# KiCad board SparkFun_IM19_IMU_Breakout_panelized.kicad_pcb (continued)
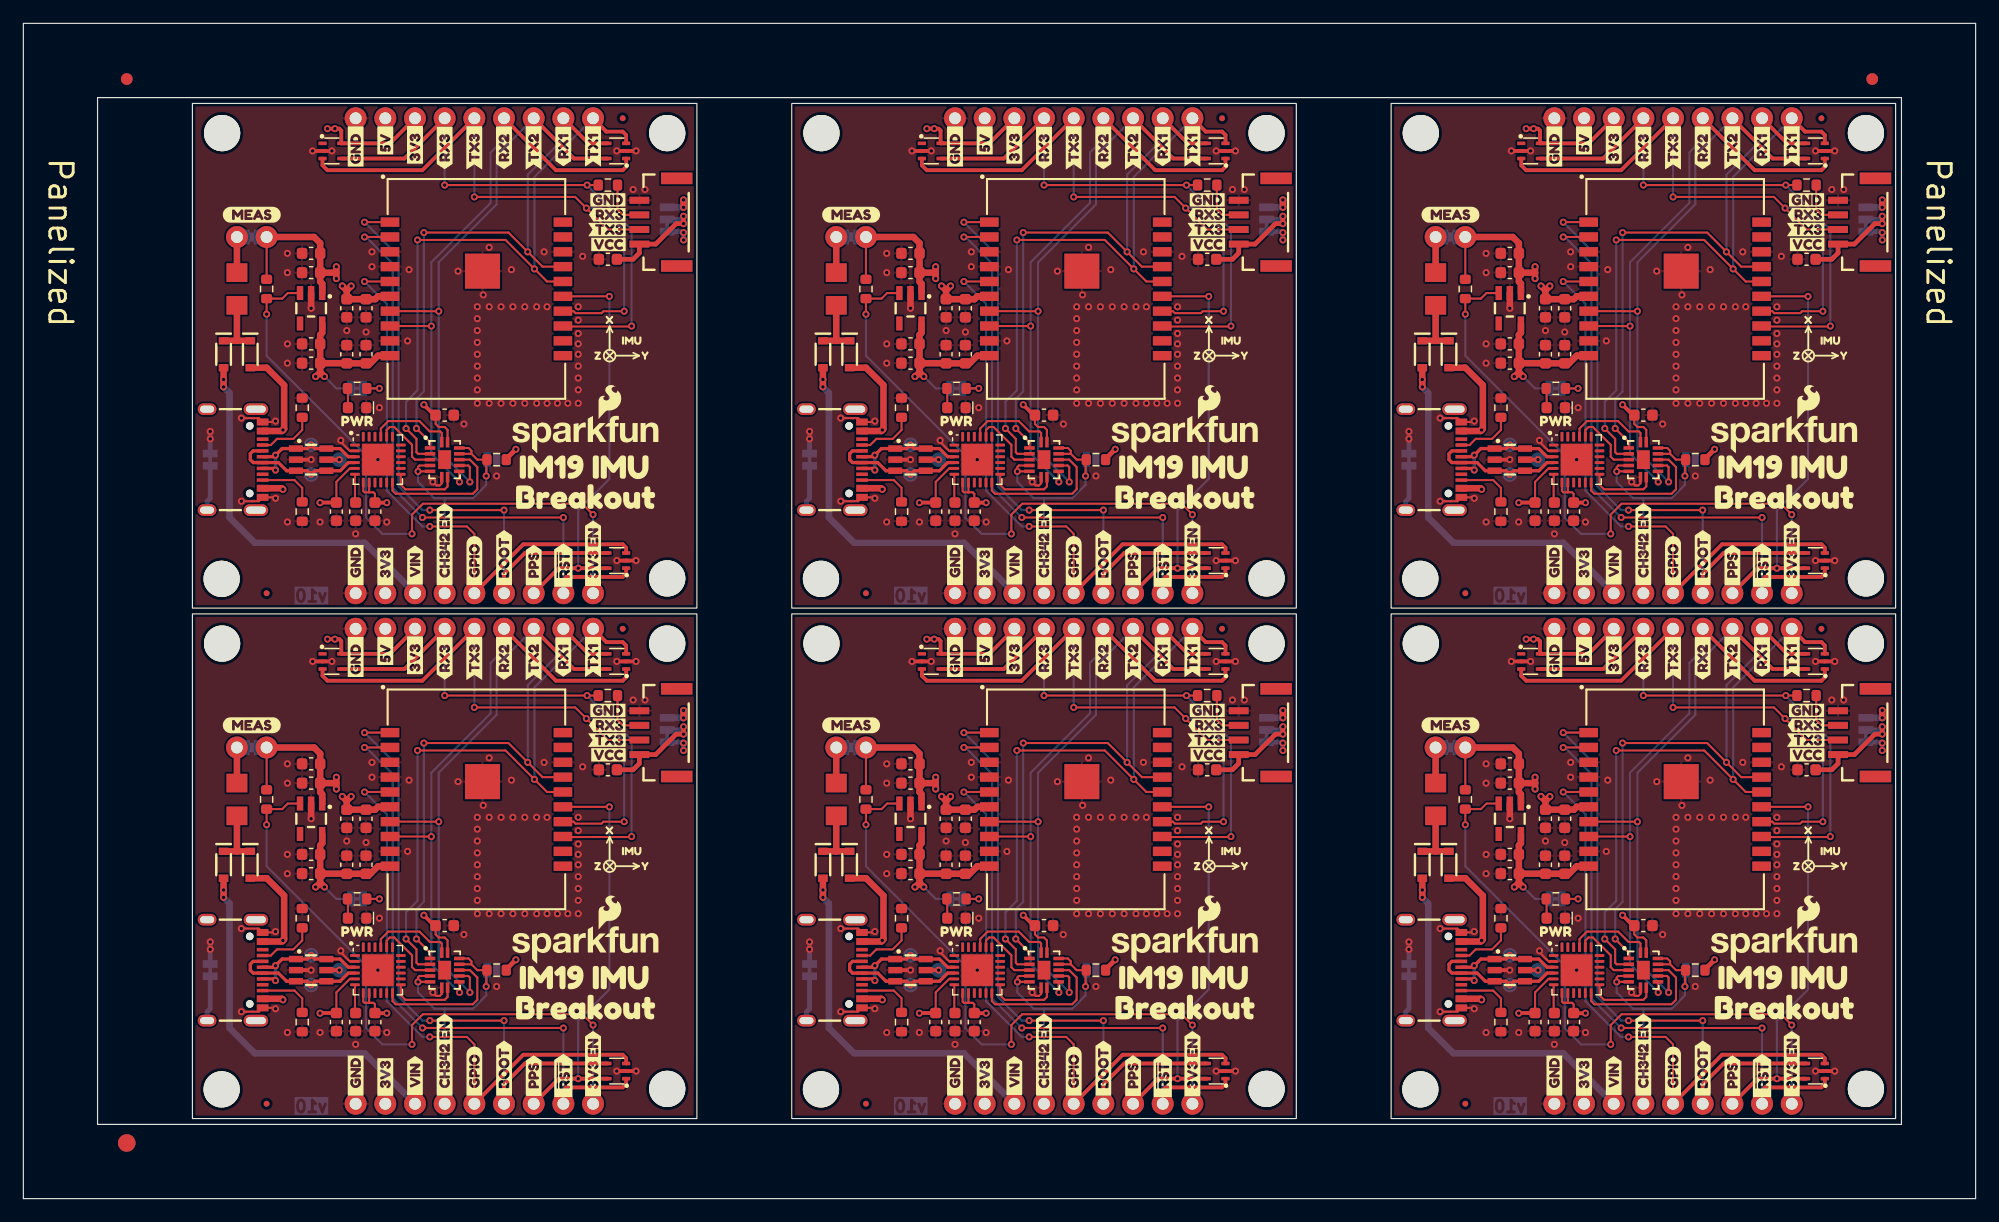
[diagram p0: board, top side]
## Routing (per net, layer and track width the routed paths; a pad name or vN(x,y) marks a point on that pad's centre or on a via; arc(x,y) is an arc through that point) (continued)
TXD2: length 298.4
  Top w0.178: v1(35.55,75.93) 34.41,75.93 34.4,75.94 U2#3.7 ; v1(86.85,32.25) 85.71,32.25 85.7,32.25 U2#4.7 ; v1(140.82,17.64) 140.82,18.92 140.68,19.05 U4.10 ; v1(138.15,75.93) 137.01,75.93 137,75.94 U2#2.7 ; v1(89.52,61.33) 89.52,62.59 89.38,62.73 U4#5.10 ; v1(138.15,32.25) 137.01,32.25 137,32.25 U2#6.7 ; v1(89.52,17.64) 89.52,18.92 89.38,19.05 U4#4.10 ; U2.7 34.4,32.25 34.41,32.25 v1(35.55,32.25) ; v1(140.82,61.33) 140.82,62.59 140.68,62.73 U4#6.10 ; v1(38.22,17.64) 38.22,18.92 38.08,19.05 U4#2.10 ; U2#5.7 85.7,75.94 85.71,75.93 v1(86.85,75.93) ; U4#3.10 38.08,62.73 38.22,62.59 v1(38.22,61.33)
  Top w0.33: J2#6.3 149.72,89 D4#6.5 ; J2#2.3 98.42,45.32 D4#2.5 ; D4#3.5 47.12,89 J2#3.3 ; J2#5.3 149.72,45.32 D4#4.5 ; J2#4.3 98.42,89 D4#5.5 ; J2.3 47.12,45.32 D4.5
  Bottom w0.178: J2.3 40.5,45.59 40.5,41.39 35.55,36.44 v1(35.55,32.25) 35.55,20.31 v1(38.22,17.64) ; v1(38.22,61.33) 35.55,63.99 v1(35.55,75.93) 35.55,80.12 40.5,85.07 40.5,89.27 J2#3.3 ; J2#2.3 91.81,45.59 91.81,41.39 86.85,36.44 v1(86.85,32.25) 86.85,20.31 v1(89.52,17.64) ; J2#5.3 143.11,45.59 143.11,41.39 138.15,36.44 v1(138.15,32.25) 138.15,20.31 v1(140.82,17.64) ; J2#6.3 143.11,89.27 143.11,85.07 138.15,80.12 v1(138.15,75.93) 138.15,63.99 v1(140.82,61.33) ; v1(89.52,61.33) 86.85,63.99 v1(86.85,75.93) 86.85,80.12 91.81,85.07 91.81,89.27 J2#4.3
TXD3: length 323.4
  Top w0.178: J1#4.2 101.32,39.25 98.54,42.03 v1(89.9,42.03) ; U2#2.14 149.69,75.94 149.86,75.76 152.08,75.76 152.25,75.93 v1(154.03,75.93) ; J1#6.2 152.62,82.93 149.84,85.71 v1(141.2,85.71) ; v1(102.73,75.93) 100.95,75.93 100.78,75.76 98.56,75.76 98.39,75.94 U2#5.14 ; J1#3.2 50.02,82.93 47.24,85.71 v1(38.6,85.71) ; J1#2.2 152.62,39.25 149.84,42.03 v1(141.2,42.03) ; v1(51.43,75.93) 49.65,75.93 49.48,75.76 47.26,75.76 47.09,75.94 U2#3.14 ; v1(102.73,32.25) 100.95,32.25 100.78,32.08 98.56,32.08 98.39,32.25 U2#4.14 ; v1(154.03,32.25) 152.25,32.25 152.08,32.08 149.86,32.08 149.69,32.25 U2#6.14 ; J1.2 50.02,39.25 47.24,42.03 v1(38.6,42.03) ; v1(51.43,32.25) 49.65,32.25 49.48,32.08 47.26,32.08 47.09,32.25 U2.14 ; J1#5.2 101.32,82.93 98.54,85.71 v1(89.9,85.71)
  Top w0.33: D5#5.3 128.21,44.73 128.63,44.31 136.75,44.31 J2#5.5 ; D5#6.3 76.91,88.41 77.33,88 85.46,88 J2#4.5 ; J2#6.5 136.75,88 128.63,88 128.21,88.41 D5#4.3 ; D5.3 25.61,44.73 26.03,44.31 34.16,44.31 J2.5 ; D5#2.3 76.91,44.73 77.33,44.31 85.46,44.31 J2#2.5 ; D5#3.3 25.61,88.41 26.03,88 34.16,88 J2#3.5
  Bottom w0.178: v1(150.79,84.76) 152.06,84.76 154.03,82.79 v1(154.03,75.93) ; v1(102.73,32.25) 102.73,39.11 100.76,41.08 v1(99.49,41.08) ; v1(154.03,32.25) 154.03,39.11 152.06,41.08 v1(150.79,41.08) ; v1(141.2,42.03) J2#5.5 ; v1(51.43,75.93) 51.43,82.79 49.46,84.76 v1(48.19,84.76) ; v1(51.43,32.25) 51.43,39.11 49.46,41.08 v1(48.19,41.08) ; v1(141.2,85.71) J2#6.5 ; v1(89.9,42.03) J2#2.5 ; v1(38.6,85.71) J2#3.5 ; v1(89.9,85.71) J2#4.5 ; v1(102.73,75.93) 102.73,82.79 100.76,84.76 v1(99.49,84.76) ; v1(38.6,42.03) J2.5
VUSB: length 200.3
  Top w0.178: 132.18,16.76 131.8,16.76 131.69,16.86 U1#6.7 ; 132.18,16.76 132.56,16.76 132.69,16.63 C5#3.1 ; 132.18,16.76 132.19,16.77 U1#6.8 ; C5#4.1 81.39,16.63 81.26,16.76 80.88,16.76 ; 80.88,60.44 80.5,60.44 80.4,60.54 U1#3.7 ; 80.88,60.44 81.26,60.44 81.39,60.31 C5#6.1 ; 80.88,60.44 80.9,60.45 U1#3.8 ; U1#4.7 80.4,16.86 80.5,16.76 80.88,16.76 ; 80.88,16.76 80.9,16.77 U1#4.8 ; C5#5.1 30.09,60.31 29.96,60.44 29.58,60.44 ; 132.18,60.44 132.56,60.44 132.69,60.31 C5#2.1 ; 132.18,60.44 132.19,60.45 U1#5.8 ; 132.18,60.44 131.8,60.44 131.69,60.54 U1#5.7 ; 29.58,16.76 29.59,16.77 U1.8 ; 29.58,16.76 29.2,16.76 29.09,16.86 U1.7 ; 29.58,16.76 29.96,16.76 30.09,16.63 C5.1 ; 29.58,60.44 29.2,60.44 29.09,60.54 U1#2.7 ; 29.58,60.44 29.59,60.45 U1#2.8
  Top w0.33: C5.1 30.1,15.87 v1(31.11,15.87) ; v1(133.71,15.87) 132.7,15.87 C5#3.1 ; D6#2.5 v1(27.04,63.23) ; v1(82.41,15.87) 81.4,15.87 C5#4.1 ; v1(82.41,59.55) 81.4,59.55 C5#6.1 ; C5#2.1 132.7,59.55 v1(133.71,59.55) ; D6.5 v1(27.04,19.55) ; D6#4.5 v1(129.64,19.55) ; v1(31.11,59.55) 30.1,59.55 C5#5.1 ; D6#3.5 v1(78.34,19.55) ; D6#6.5 v1(78.34,63.23) ; D6#5.5 v1(129.64,63.23)
  Top w0.559: J3#5.VBUS 124.73,60.78 v1(124.82,60.69) ; J3#5.VBUS 124.73,65.68 v1(124.82,65.77) 124.92,65.87 124.92,69.6 123.43,71.1 D1#6.2 ; v1(73.52,17.01) 73.43,17.1 J3#2.VBUS ; J3#2.VBUS 73.43,22 v1(73.52,22.09) 73.62,22.19 73.62,25.92 72.13,27.42 D1#5.2 ; J3#4.VBUS 73.43,65.68 v1(73.52,65.77) 73.62,65.87 73.62,69.6 72.13,71.1 D1#3.2 ; v1(22.22,17.01) 22.13,17.1 J3.VBUS ; J3#3.VBUS 124.73,22 v1(124.82,22.09) 124.92,22.19 124.92,25.92 123.43,27.42 D1#2.2 ; J3.VBUS 22.13,22 v1(22.22,22.09) 22.32,22.19 22.32,25.92 20.83,27.42 D1.2 ; J3#4.VBUS 73.43,60.78 v1(73.52,60.69) ; J3#6.VBUS 22.13,60.78 v1(22.22,60.69) ; v1(124.82,17.01) 124.73,17.1 J3#3.VBUS ; J3#6.VBUS 22.13,65.68 v1(22.22,65.77) 22.32,65.87 22.32,69.6 20.83,71.1 D1#4.2
  In2.Cu w0.33: v1(31.11,59.55) 29.86,60.79 27.04,60.79 ; v1(133.71,59.55) 132.46,60.79 129.64,60.79 ; v1(129.64,19.55) 129.64,17.11 ; 129.64,17.11 124.92,17.11 ; 129.64,17.11 132.46,17.11 v1(133.71,15.87) ; 78.34,60.79 81.16,60.79 v1(82.41,59.55) ; 78.34,60.79 73.62,60.79 ; 78.34,60.79 v1(78.34,63.23) ; v1(82.41,15.87) 81.16,17.11 78.34,17.11 ; 78.34,17.11 73.62,17.11 ; 78.34,17.11 v1(78.34,19.55) ; 27.04,17.11 22.32,17.11 ; 27.04,17.11 v1(27.04,19.55) ; 27.04,17.11 29.86,17.11 v1(31.11,15.87) ; v1(129.64,63.23) 129.64,60.79 ; 129.64,60.79 124.92,60.79 ; v1(27.04,63.23) 27.04,60.79 ; 27.04,60.79 22.32,60.79
  In2.Cu w0.559: v1(73.52,17.01) 73.62,17.11 73.62,21.99 v1(73.52,22.09) ; v1(73.52,65.77) 73.62,65.67 73.62,60.79 v1(73.52,60.69) ; v1(124.82,22.09) 124.92,21.99 124.92,17.11 v1(124.82,17.01) ; v1(22.22,17.01) 22.32,17.11 22.32,21.99 v1(22.22,22.09) ; v1(124.82,60.69) 124.92,60.79 124.92,65.67 v1(124.82,65.77) ; v1(22.22,60.69) 22.32,60.79 22.32,65.67 v1(22.22,65.77)
~{RESET}: length 324.3
  Top w0.178: v1(34.16,14.6) 46.21,14.6 v1(46.22,14.6) ; v1(85.46,58.28) 97.51,58.28 v1(97.52,58.28) ; 82.68,38.61 80.51,38.61 v1(80.5,38.6) ; 31.38,38.61 29.21,38.61 v1(29.2,38.6) ; v1(97.52,14.6) 97.51,14.6 v1(85.46,14.6) ; 133.98,38.61 131.81,38.61 v1(131.8,38.6) ; v1(148.82,58.28) 148.81,58.28 v1(136.76,58.28) ; v1(148.82,14.6) 148.81,14.6 v1(136.76,14.6) ; U2#5.2 80.51,82.28 v1(80.5,82.28) ; v1(29.2,82.28) 29.21,82.28 U2#3.2 ; U2#2.2 131.81,82.28 v1(131.8,82.28) ; v1(46.22,58.28) 46.21,58.28 v1(34.16,58.28)
  Top w0.33: J4#4.2 46.22,52.94 46.47,53.2 51.3,53.2 51.59,53.49 D7#4.1 ; J4.2 46.22,9.26 46.47,9.52 51.3,9.52 51.59,9.81 D7.1 ; D7#5.1 102.89,53.49 102.6,53.2 97.77,53.2 97.52,52.94 J4#5.2 ; J4#2.2 148.82,9.26 149.07,9.52 153.9,9.52 154.19,9.81 D7#6.1 ; D7#3.1 102.89,9.81 102.6,9.52 97.77,9.52 97.52,9.26 J4#3.2 ; J4#6.2 148.82,52.94 149.07,53.2 153.9,53.2 154.19,53.49 D7#2.1
  Bottom w0.178: J4#5.2 v1(97.52,58.28) ; v1(29.2,82.28) 29.34,82.28 31.62,80.01 31.62,60.82 34.15,58.28 v1(34.16,58.28) ; J4#6.2 v1(148.82,58.28) ; J4#2.2 v1(148.82,14.6) ; v1(131.8,38.6) 131.94,38.6 134.22,36.33 134.22,17.14 136.75,14.6 v1(136.76,14.6) ; v1(131.8,82.28) 131.94,82.28 134.22,80.01 134.22,60.82 136.75,58.28 v1(136.76,58.28) ; v1(80.5,82.28) 80.64,82.28 82.91,80.01 82.91,60.82 85.45,58.28 v1(85.46,58.28) ; v1(29.2,38.6) 29.34,38.6 31.62,36.33 31.62,17.14 34.15,14.6 v1(34.16,14.6) ; v1(80.5,38.6) 80.64,38.6 82.91,36.33 82.91,17.14 85.45,14.6 v1(85.46,14.6) ; J4.2 v1(46.22,14.6) ; J4#3.2 v1(97.52,14.6) ; J4#4.2 v1(46.22,58.28)
Net-(D1-K): length 31.9
  Top w0.559: D2#4.1 69.58,29.72 ; 69.58,29.72 F1#4.1 ; 69.58,29.72 D1#5.1 ; 17.14,73.4 18.28,73.4 ; 18.28,73.4 F1#5.1 ; 18.28,73.4 19.42,73.4 ; 119.74,73.4 120.88,73.4 ; 120.88,73.4 122.02,73.4 ; 120.88,73.4 F1#3.1 ; D2.1 18.28,29.72 ; 18.28,29.72 F1.1 ; 18.28,29.72 D1.1 ; D2#6.1 120.88,29.72 ; 120.88,29.72 F1#6.1 ; 120.88,29.72 D1#2.1 ; 69.58,73.4 70.72,73.4 ; 69.58,73.4 F1#2.1 ; 69.58,73.4 68.44,73.4
Net-(D3-A): length 10
  Top w0.178: R4#2.1 27.78,69.29 D3#2.2 ; D3#3.2 79.08,69.29 R4#6.1 ; D3#6.2 130.38,69.29 R4#3.1 ; R4#4.1 79.08,25.61 D3#4.2 ; D3#5.2 130.38,25.61 R4#5.1 ; R4.1 27.78,25.61 D3.2
Net-(J1-Pin_1): length 60.2
  Top w0.406: v1(56.51,40.38) v1(56.51,39.74) 55.87,39.74 54.12,38 J1.1 52.72,37.23 52.19,36.7 C11.1 ; v1(56.51,84.06) v1(56.51,83.42) 55.87,83.42 54.12,81.68 J1#3.1 52.72,80.91 52.19,80.38 C11#2.1 ; C11#4.1 103.49,80.38 104.03,80.91 J1#5.1 105.42,81.68 107.17,83.42 v1(107.81,83.42) v1(107.81,84.06) ; C11#3.1 103.49,36.7 104.03,37.23 J1#4.1 105.42,38 107.17,39.74 v1(107.81,39.74) v1(107.81,40.38) ; C11#5.1 154.79,36.7 155.33,37.23 J1#2.1 156.72,38 158.47,39.74 v1(159.11,39.74) v1(159.11,40.38) ; C11#6.1 154.79,80.38 155.33,80.91 J1#6.1 156.72,81.68 158.47,83.42 v1(159.11,83.42) v1(159.11,84.06)
  Bottom w0.406: 158.83,83.78 v1(159.11,84.06) ; 158.83,83.78 159.11,83.5 v1(159.11,83.42) ; 158.83,83.78 VCC.1#4.2 ; 107.53,83.78 v1(107.81,84.06) ; 107.53,83.78 107.81,83.5 v1(107.81,83.42) ; 107.53,83.78 VCC.1#3.2 ; VCC.1#6.2 158.83,40.1 ; 158.83,40.1 159.11,39.82 v1(159.11,39.74) ; 158.83,40.1 v1(159.11,40.38) ; VCC.1#5.2 107.53,40.1 ; 107.53,40.1 v1(107.81,40.38) ; 107.53,40.1 107.81,39.82 v1(107.81,39.74) ; VCC.1#2.2 56.23,83.78 ; 56.23,83.78 v1(56.51,84.06) ; 56.23,83.78 56.51,83.5 v1(56.51,83.42) ; 56.23,40.1 56.51,39.82 v1(56.51,39.74) ; 56.23,40.1 v1(56.51,40.38) ; 56.23,40.1 VCC.1.2
Net-(J1-Pin_3): length 24.9
  Top w0.178: 153.46,43.05 153.46,40.95 153.91,40.5 J1#2.3 ; J1#4.3 102.61,40.5 102.16,40.95 R3#3.2 ; 50.86,86.72 50.86,84.63 51.31,84.18 J1#3.3 ; R3#6.2 102.16,84.63 102.61,84.18 J1#5.3 ; 50.86,43.05 50.86,40.95 51.31,40.5 J1.3 ; J1#6.3 153.91,84.18 153.46,84.63 153.46,86.72
Net-(J3-CC1): length 30
  Top w0.178: R6.2 23.87,22.09 23.11,21.33 21.71,21.33 21.18,20.8 J3.A5 ; J3#6.A5 21.18,64.48 21.71,65.01 23.11,65.01 23.87,65.77 R6#2.2 ; J3#5.A5 123.78,64.48 124.31,65.01 125.71,65.01 126.47,65.77 R6#6.2 ; R6#4.2 75.17,65.77 74.41,65.01 73.01,65.01 72.48,64.48 J3#4.A5 ; J3#3.A5 123.78,20.8 124.31,21.33 125.71,21.33 126.47,22.09 R6#5.2 ; J3#2.A5 72.48,20.8 73.01,21.33 74.41,21.33 75.17,22.09 R6#3.2
Net-(J3-CC2): length 29.2
  Top w0.178: R5#6.2 126.47,60.82 125.81,61.48 J3#5.B5 ; J3#3.B5 125.81,17.8 126.47,17.14 R5#2.2 ; R5.2 23.87,17.14 23.21,17.8 J3.B5 ; J3#6.B5 23.21,61.48 23.87,60.82 R5#3.2 ; J3#2.B5 74.5,17.8 75.17,17.14 R5#5.2 ; R5#4.2 75.17,60.82 74.5,61.48 J3#4.B5
Net-(J3-SHIELD): length 23.5
  Bottom w0.406: J3#6.S 15.73,59.66 15.99,59.93 SHLD1#3.2 ; SHLD1#2.2 67.29,59.93 67.03,59.66 J3#4.S ; J3#5.S 118.33,59.66 118.59,59.93 SHLD1#6.2 ; J3.S 15.73,15.98 15.99,16.25 SHLD1.2 ; SHLD1#4.2 67.29,16.25 67.03,15.98 J3#2.S ; J3#3.S 118.33,15.98 118.59,16.25 SHLD1#5.2
Net-(JP1-A): length 18.3
  Top w0.559: F1#3.2 JP1#6.1 ; F1#4.2 JP1#4.1 ; F1#2.2 JP1#5.1 ; F1#5.2 JP1#3.1 ; F1#6.2 JP1#2.1 ; F1.2 JP1.1
Net-(PWR.1-A): length 14.9
  Top w0.178: R4#4.2 v1(81.77,25.65) ; R4.2 v1(30.47,25.65) ; R4#5.2 v1(133.07,25.65) ; R4#3.2 v1(133.07,69.33) ; R4#6.2 v1(81.77,69.33) ; R4#2.2 v1(30.47,69.33)
  Bottom w0.178: v1(133.07,25.65) PWR.1#5.1 ; v1(30.47,25.65) PWR.1.1 ; v1(133.07,69.33) PWR.1#6.1 ; v1(81.77,69.33) PWR.1#4.1 ; v1(81.77,25.65) PWR.1#3.1 ; v1(30.47,69.33) PWR.1#2.1
Net-(U1-RXD0): length 36.9
  Top w0.178: U1#3.20 82.4,65.76 82.66,66.02 83.04,66.02 84.57,64.5 84.57,63.48 84.82,63.23 U4#5.4 ; U4#4.4 84.82,19.55 84.57,19.8 84.57,20.82 83.04,22.34 82.66,22.34 82.4,22.08 U1#4.20 ; U1#6.20 133.69,22.08 133.96,22.34 134.34,22.34 135.87,20.82 135.87,19.8 136.12,19.55 U4.4 ; U1#2.20 31.09,65.76 31.36,66.02 31.74,66.02 33.27,64.5 33.27,63.48 33.52,63.23 U4#3.4 ; U1.20 31.09,22.08 31.36,22.34 31.74,22.34 33.27,20.82 33.27,19.8 33.52,19.55 U4#2.4 ; U1#5.20 133.69,65.76 133.96,66.02 134.34,66.02 135.87,64.5 135.87,63.48 136.12,63.23 U4#6.4
Net-(U1-RXD1): length 71.6
  Top w0.178: U4.11 140.82,19.55 141.45,18.92 141.45,17.01 141.07,16.63 134.47,16.63 134.19,16.9 U1#6.12 ; U4#5.11 89.52,63.23 90.15,62.59 90.15,60.69 89.77,60.31 83.17,60.31 82.9,60.58 U1#3.12 ; U4#2.11 38.22,19.55 38.85,18.92 38.85,17.01 38.47,16.63 31.87,16.63 31.59,16.9 U1.12 ; U1#2.12 31.59,60.58 31.87,60.31 38.47,60.31 38.85,60.69 38.85,62.59 38.22,63.23 U4#3.11 ; U4#4.11 89.52,19.55 90.15,18.92 90.15,17.01 89.77,16.63 83.17,16.63 82.9,16.9 U1#4.12 ; U1#5.12 134.19,60.58 134.47,60.31 141.07,60.31 141.45,60.69 141.45,62.59 140.82,63.23 U4#6.11
Net-(U1-TXD0): length 44.3
  Top w0.178: U1#3.21 81.9,65.89 82.53,66.53 85.2,66.53 86.09,65.64 86.98,65.64 87.11,65.51 U4#5.1 ; U4.1 138.41,21.83 138.28,21.96 137.39,21.96 136.5,22.85 133.83,22.85 133.19,22.21 U1#6.21 ; U1.21 30.59,22.21 31.23,22.85 33.9,22.85 34.79,21.96 35.68,21.96 35.81,21.83 U4#2.1 ; U1#5.21 133.19,65.89 133.83,66.53 136.5,66.53 137.39,65.64 138.28,65.64 138.41,65.51 U4#6.1 ; U4#4.1 87.11,21.83 86.98,21.96 86.09,21.96 85.2,22.85 82.53,22.85 81.9,22.21 U1#4.21 ; U1#2.21 30.59,65.89 31.23,66.53 33.9,66.53 34.79,65.64 35.68,65.64 35.81,65.51 U4#3.1
Net-(U1-TXD1): length 35.8
  Top w0.178: U4.8 138.91,17.26 138.66,17.01 135.29,17.01 134.91,17.4 U1#6.13 ; U4#2.8 36.31,17.26 36.06,17.01 32.69,17.01 32.31,17.4 U1.13 ; U1#5.13 134.91,61.08 135.29,60.69 138.66,60.69 138.91,60.94 U4#6.8 ; U1#3.13 83.61,61.08 83.99,60.69 87.36,60.69 87.61,60.94 U4#5.8 ; U1#2.13 32.31,61.08 32.69,60.69 36.06,60.69 36.31,60.94 U4#3.8 ; U1#4.13 83.61,17.4 83.99,17.01 87.36,17.01 87.61,17.26 U4#4.8
Net-(U1-V3): length 14.7
  Top w0.178: C7#4.1 79.68,59.62 U1#3.6 ; C7#2.1 28.38,59.62 U1#2.6 ; C7#3.1 130.98,15.94 U1#6.6 ; U1#5.6 130.98,59.62 C7#6.1 ; C7#5.1 79.68,15.94 U1#4.6 ; U1.6 28.38,15.94 C7.1

## Copper pours and planes (outline as drawn; the poured copper is in the pictures)
3.3V on In2.Cu: 57.65,50.53 14.47,50.53 14.47,93.71 57.65,93.71
3.3V on In2.Cu: 108.95,50.53 65.77,50.53 65.77,93.71 108.95,93.71
3.3V on In2.Cu: 108.95,6.85 65.77,6.85 65.77,50.03 108.95,50.03
3.3V on In2.Cu: 57.65,6.85 14.47,6.85 14.47,50.03 57.65,50.03
3.3V on In2.Cu: 160.25,50.53 117.07,50.53 117.07,93.71 160.25,93.71
3.3V on In2.Cu: 160.25,6.85 117.07,6.85 117.07,50.03 160.25,50.03
GND on Top, Bottom, In1.Cu: 108.66,6.85 65.77,6.85 65.77,50.03 108.95,50.03
GND on Top, Bottom, In1.Cu: 57.36,50.53 14.47,50.53 14.47,93.71 57.65,93.71
GND on Top, Bottom, In1.Cu: 159.96,50.53 117.07,50.53 117.07,93.71 160.25,93.71
GND on Top, Bottom, In1.Cu: 57.36,6.85 14.47,6.85 14.47,50.03 57.65,50.03
GND on Top, Bottom, In1.Cu: 108.66,50.53 65.77,50.53 65.77,93.71 108.95,93.71
GND on Top, Bottom, In1.Cu: 159.96,6.85 117.07,6.85 117.07,50.03 160.25,50.03
GND on In2.Cu: 38.47,67.73 38.47,76.62 47.87,76.62 47.87,67.73
GND on In2.Cu: 38.47,24.05 38.47,32.94 47.87,32.94 47.87,24.05
GND on In2.Cu: 141.07,24.05 141.07,32.94 150.47,32.94 150.47,24.05
GND on In2.Cu: 89.77,24.05 89.77,32.94 99.17,32.94 99.17,24.05
GND on In2.Cu: 89.77,67.73 89.77,76.62 99.17,76.62 99.17,67.73
GND on In2.Cu: 141.07,67.73 141.07,76.62 150.47,76.62 150.47,67.73

## Text on the board
Bottom: v10
User.Comments: V-SCORE | ROUTE OUT
F.Fab: Layers: 4 | Solder Mask: Red | Silkscreen Color: White | Thickness: 1.6mm | Finish: ENIG | Controlled Impedance: JLC7628 | Material: TG135 | No Clean Process | Outer Copper Weight: 1oz | Inner Copper Weight: 0.5oz | Ordering Notes
F.Silkscreen: Panelized
